# Altium PCB PCB.PcbDoc (part 3 of 4) (continued)
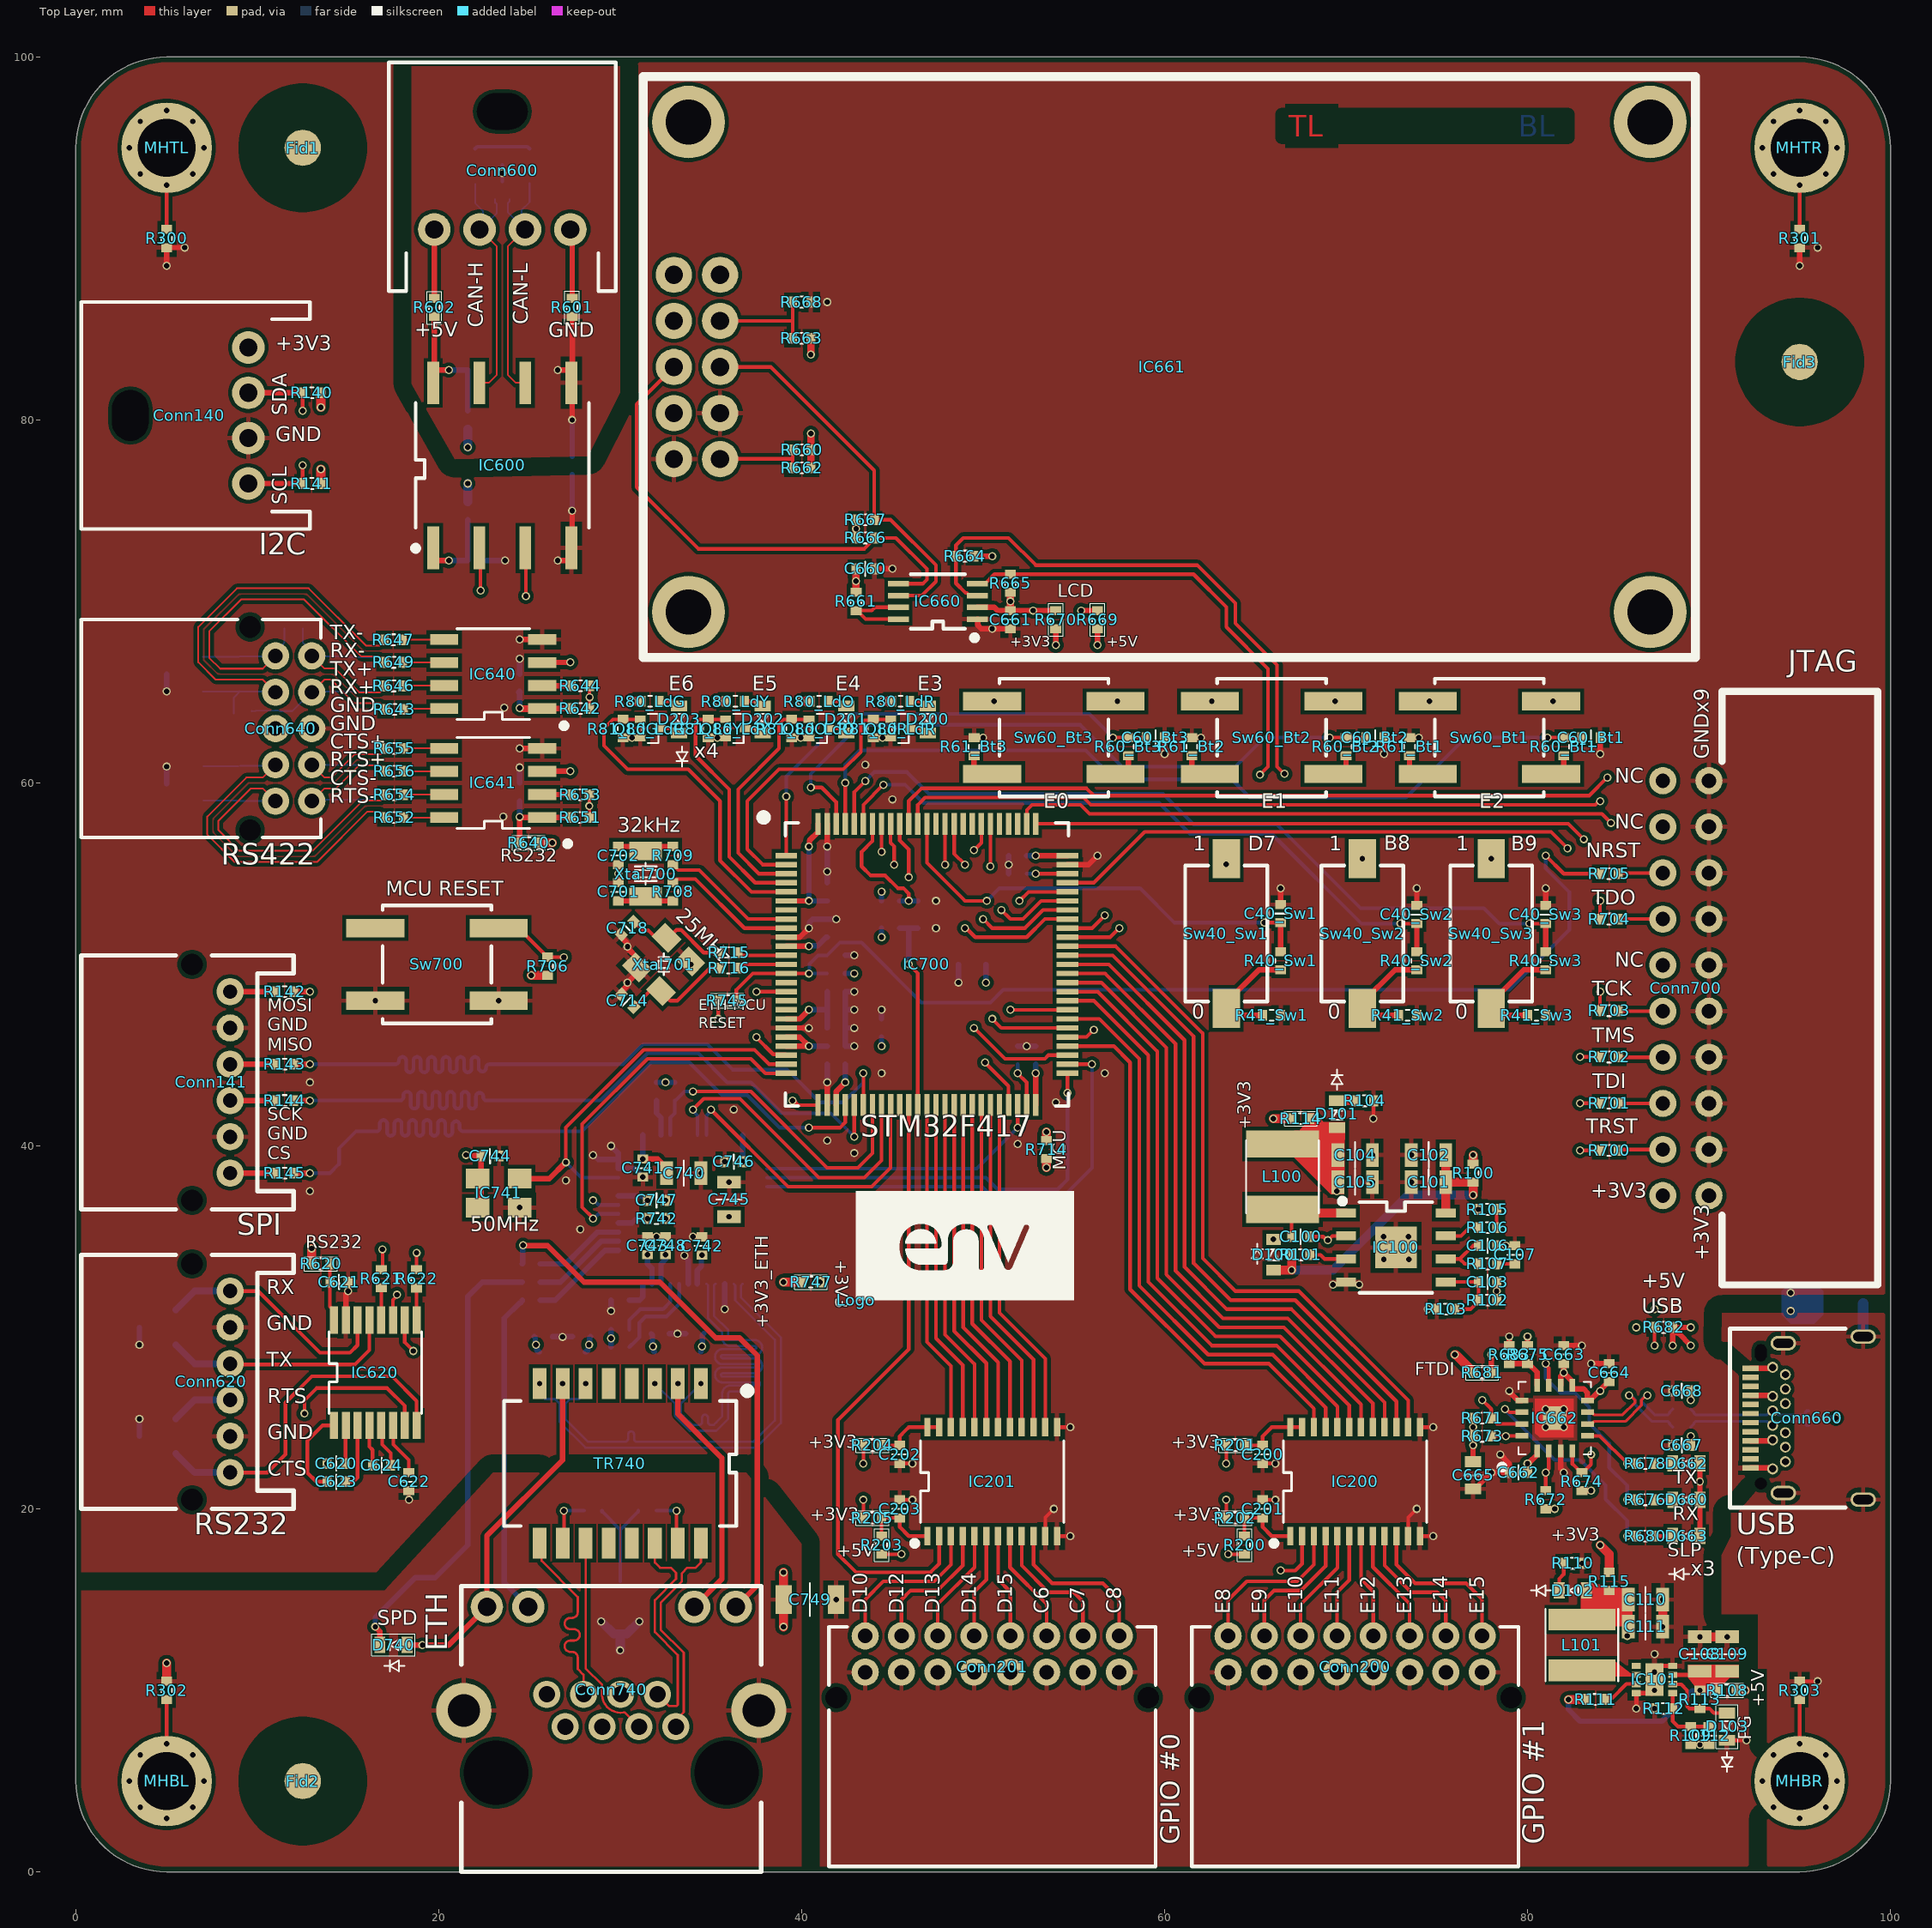
[diagram p0: Top Layer view]
## Nets (pads, with @x,y where several pads share a name; then routed paths per layer and width w, separated by ;. In a path a pad name is that pad's centre, name@x,y a point inside that pad or via, vN(x,y) a via of type N, cw(c..) or ccw(c..) an arc to the next point about the centre after c; other vN are vias at no path point) (continued)
PA6: IC700.31 R143.1 | length 43.7
  Top Layer w0.2: IC700.31@43.4,42.25 v1(43.4,44)
  Top Layer w0.3: R143.1@12,44.5 v1(12.9,44.5)
  Bottom Layer w0.2: v1(12.9,44.5) 17.5,44.5 17.6,44.5 ccw(c17.6,44.7) 17.8,44.7 17.8,44.702 cw(c18,44.702) 18.2,44.702 18.2,44.257 ccw(c18.4,44.257) 18.6,44.257 18.6,44.702 cw(c18.8,44.702) 19,44.702 19,44.257 ccw(c19.2,44.257) 19.4,44.257 19.4,44.702 cw(c19.6,44.702) 19.8,44.702 19.8,44.257 ccw(c20,44.257) 20.2,44.257 20.2,44.702 cw(c20.4,44.702) 20.6,44.702 20.6,44.257 ccw(c20.8,44.257) 21,44.257 21,44.702 cw(c21.2,44.702) 21.4,44.702 21.4,44.257 ccw(c21.6,44.257) 21.8,44.257 21.8,44.702 cw(c22,44.702) 22.2,44.702 22.2,44.292 ccw(c22.4,44.292) 22.6,44.292 22.6,44.3 cw(c22.8,44.3) 22.8,44.5 25.233,44.5 30.15,44.5 31.25,45.6 34.8,45.6 36.2,44.2 39.2,44.2 41,42.4 42.3,42.4 43.375,43.475 43.375,43.975 v1(43.4,44)
PA7: IC700.32 IC740.40 R740.2 | length 17.8
  Top Layer w0.2: v1(34,43) 37.2,43 41.4,38.8 43.1,38.8 43.9,39.6 IC700.32@43.9,42.25
  Bottom Layer w0.2: IC740.40@32.75,40.6 32.75,41.55 33,41.8 R740.2@33,42.5 33.05,42.5 33.55,43 v1(34,43)
PA8: IC660.4 IC700.67 R665.2 | length 40.4
  Top Layer w0.2: IC660.4@49.675,70.975 50.1,70.975 50.625,71.5 R665.2@51.5,71.5 61.593,71.5 63.4,69.693 63.4,68.593 65.7,66.293 65.7,60.9 v1(65.25,60.45) ; IC700.67@54.65,52 56,52 v1(56.7,52.7)
  Layer 3 w0.2: v1(56.7,52.7) 56.7,54.8 60.4,58.5 63.3,58.5 v1(65.25,60.45)
PA9: IC640.3 IC700.68 | length 37.9
  Top Layer w0.2: v1(49,52) 49.065,52 49.565,51.5 52.4,51.5 53.4,52.5 IC700.68@54.65,52.5
  Top Layer w0.3: IC640.3@25.708,66.642 v1@27.242,66.642
  Top Layer w0.381: IC640.3@25.7,66.635 IC640.3@25.708,66.642 ; v1@27.242,66.642 v1(27.25,66.65)
  Layer 3 w0.2: v1@27.242,66.642 27.242,63.558 32.7,58.1 43.7,58.1 49,52.8 v1(49,52)
PA10: IC700.69 R642.2 R644.2 | length 34.2
  Top Layer w0.2: R642.2@28.3,64.1 R644.2@28.3,65.35 ; v1(50,52.5) 50.5,52 52.3,52 53.3,53 IC700.69@54.65,53
  Layer 3 w0.2: v1(28.304,64.725) 28.304,63.196 32.9,58.6 43.9,58.6 v1(50,52.5)
PA11: IC700.70 R651.2 R653.2 | length 33.8
  Top Layer w0.2: R651.2@28.3,58.1 R653.2@28.3,59.35 ; v1(51,53) 51.5,52.5 52.2,52.5 53.2,53.5 IC700.70@54.65,53.5
  Layer 3 w0.2: v2@28.3,58.725 28.3,57.6 29.7,56.2 36.8,56.2 38.7,54.3 42.6,54.3 43.9,53 45.1,53 47.35,50.75 49.95,50.75 51,51.8 v1(51,53)
  other v2: 28.295,58.725
PA12: IC641.3 IC700.71 | length 37.4
  Top Layer w0.2: v1(52,53.5) 52.5,54 IC700.71@54.65,54
  Top Layer w0.3: IC641.3@25.708,60.642 v1@27.243,60.642
  Layer 3 w0.2: v1@27.243,60.642 27.243,58.057 29.6,55.7 36.489,55.7 39.489,52.7 40.7,52.7 41.2,53.2 42.851,53.2 43.651,52.4 45,52.4 47.05,50.35 50.15,50.35 51.6,51.8 51.6,53.1 v1(52,53.5)
  other v1: 27.25,60.65
PA13: IC700.72 R702.1 | length 42
  Top Layer w0.2: IC700.72@54.65,54.5 56.1,54.5 58.9,57.3 81.3,57.3 v1(82.2,56.4) ; v1(82.9,44.9) R702.1@84,44.9
  Layer 3 w0.2: v1(82.2,56.4) 82.2,45.6 v1(82.9,44.9)
PA14: IC700.76 R703.1 | length 40.4
  Top Layer w0.2: IC700.76@52.9,57.75 82.25,57.75 v1(83.1,56.9) ; R703.1@84,47.45 v1(84,48.5)
  Layer 3 w0.2: v1(83.1,56.9) 83.1,49.4 v1(84,48.5)
PA15: IC700.77 R701.1 | length 51.1
  Top Layer w0.2: IC700.77@52.4,57.75 52.412,57.762 52.412,58.512 52.7,58.8 55.369,58.8 55.869,58.3 84.1,58.3 v1(84.6,57.8) ; v1(82.899,42.357) R701.1@83.993,42.357
  Layer 3 w0.2: v1(82.899,42.357) 85,44.457 85,57.4 v1(84.6,57.8)
PB0: IC700.35
PB1: IC201.2 IC700.36 | length 34.1
  Top Layer w0.2: IC700.36@45.9,42.25 45.9,28.8 42,24.9 42,17.5 43,16.5 47.1,16.5 47.575,16.975 IC201.2@47.575,18.5
PB2: IC700.37 R711.1 R713.2 | length 11
  Top Layer w0.2: v1(45.9,50) 46.4,49.5 IC700.37@46.4,42.25
  Bottom Layer w0.3: R711.1@45.4,52 45.9,52 ; v1(45.9,50) 45.9,52 ; R713.2@46.4,52 45.9,52
PB3: IC700.89 R704.1 | length 45.6
  Top Layer w0.2: IC700.89@46.4,57.75 46.4,58.8 46.8,59.2 55.534,59.2 55.934,58.8 83.732,58.8 83.932,59 v1(84,59) ; R704.1@84,52.5 v1(84,53.5)
  Layer 3 w0.2: v1(84,53.5) v1(84,59)
PB4: IC700.90 R700.1 | length 64
  Top Layer w0.2: IC700.90@45.9,57.75 45.9,59.007 46.593,59.7 55.7,59.7 56.1,59.3 83.4,59.3 v1(84.4,60.3) ; v1(82.899,39.75) R700.1@84,39.75
  Layer 3 w0.2: v1(82.899,39.75) 85.7,42.551 85.7,59 v1(84.4,60.3)
PB5: IC700.91 R142.1 | length 45.9
  Top Layer w0.2: IC700.91@45.4,57.75 45.4,56.836 45.9,56.336 v1(45.9,54.8)
  Top Layer w0.3: R142.1@12,48.5 v1(12.9,48.5)
  Layer 3 w0.2: v1(12.9,48.5) 12.9,49.6 23,59.7 24.4,59.7 26.2,61.5 27.3,61.5 32.158,56.642 38.558,56.642 39.4,55.8 42,55.8 43,54.8 v1(45.9,54.8)
PB6: Conn140.4 IC700.92 R141.2 | length 53.5
  Top Layer w0.2: R141.2@12.5,76.5 v1(12.5,77.5) ; IC700.92@44.9,57.75 44.9,56.7 45.1,56.5 v1(45.1,55.5)
  Top Layer w0.3: Conn140.4@9.5,76.5 R141.2@12.5,76.5
  Layer 3 w0.2: v1(12.5,77.5) 12.5,78.2 13.05,78.75 14.051,78.75 15.6,77.201 15.6,73.8 22,67.4 22,63.9 23.1,62.8 26.6,62.8 32.3,57.1 42.2,57.1 43.8,55.5 v1(45.1,55.5)
PB7: Conn140.2 IC700.93 R140.2 | length 52
  Top Layer w0.2: v1(12.5,80.5) R140.2@12.5,81.5 ; v1(44.4,56.2) IC700.93@44.4,57.75
  Top Layer w0.3: Conn140.2@9.5,81.5 R140.2@12.5,81.5
  Layer 3 w0.2: v1(12.5,80.5) 12.5,79.8 13.05,79.25 14.25,79.25 16.1,77.4 16.1,74.099 22.5,67.699 22.5,64 23.3,63.2 26.9,63.2 32.5,57.6 42.3,57.6 43.7,56.2 v1(44.4,56.2)
PB8: C40_Sw2.2 IC700.95 R40_Sw2.2 | length 36.7
  Top Layer w0.2: IC700.95@43.4,57.75 43.4,58.8 v1(44.5,59.9) ; v1(73,52.25) C40_Sw2.2@73.9,52.25
  Top Layer w0.3: R40_Sw2.2@73.9,50.7 C40_Sw2.2@73.9,52.25
  Bottom Layer w0.2: v1(44.5,59.9) 45.7,59.9 46.7,58.9 59.693,58.9 61.393,57.2 65.9,57.2 70.85,52.25 v1(73,52.25)
PB9: C40_Sw3.2 IC700.96 R40_Sw3.2 | length 45.3
  Top Layer w0.2: IC700.96@42.9,57.75 42.9,59.5 v1(43.5,60.1) ; v1(80.1,52.25) C40_Sw3.2@81,52.25
  Top Layer w0.3: R40_Sw3.2@81,50.7 C40_Sw3.2@81,52.25
  Bottom Layer w0.2: v1(43.5,60.1) 44,60.6 45.8,60.6 47,59.4 59.9,59.4 61.6,57.7 66.2,57.7 70.8,53.1 77.6,53.1 78.45,52.25 v1(80.1,52.25)
PB10: IC662.2 IC700.47 R672.1 | length 56.3
  Top Layer w0.2: v1(50.1,44.6) 51.4,43.3 IC700.47@51.4,42.25 ; R672.1@81,21 v1(81,22) 81,22.041 81.175,22.216 IC662.2@81.175,23.19
  Layer 3 w0.2: v1(50.1,44.6) 53.8,48.3 55.603,48.3 58.2,45.703 58.2,36.703 64.449,30.454 71.415,30.454 75,26.869 75,26 76,25 76,23 78,21 80,21 v1(81,22)
PB11: IC700.48 IC740.2 | length 16
  Top Layer w0.2: v2(51.9,41) IC700.48@51.9,42.25
  Bottom Layer w0.2: IC740.2@38.1,38.75 49.65,38.75 v2(51.9,41)
PB12: IC700.51 IC740.3 | length 22.9
  Top Layer w0.2: v1(54.65,42.92) IC700.51@54.65,44
  Bottom Layer w0.2: IC740.3@38.1,38.25 50.151,38.249 50.8,37.6 54.1,37.6 54.65,38.15 v1(54.65,42.92)
PB13: IC700.52 IC740.4 | length 25.9
  Top Layer w0.2: IC700.52@54.65,44.5 v1(56,44.5)
  Bottom Layer w0.2: IC740.4@38.1,37.75 49.95,37.75 50.6,37.1 54.3,37.1 56,38.8 v1(56,44.5)
PB14: IC662.4 IC700.53 R674.1 | length 62.2
  Top Layer w0.2: v1(49.5,46.5) 51.2,44.8 53.4,44.8 53.6,45 IC700.53@54.65,45 ; IC662.4@82.475,23.19 82.475,22.475 82.95,22 R674.1@83,22 83.05,22 83.5,22.45 v1(83.5,23)
  Layer 3 w0.2: v1(49.5,46.5) 49.5,47.5 51.5,49.5 56.1,49.5 59.4,46.2 59.4,37.2 64.946,31.654 71.978,31.654 76.131,27.5 79.4,27.5 80.1,26.8 80.1,24.2 80.8,23.5 83,23.5 v1(83.5,23)
PB15: IC200.22 IC700.54 | length 30.2
  Top Layer w0.2: IC700.54@54.65,45.5 57.2,45.5 58.1,44.6 58.1,32.093 62.193,28 65.75,28 68.225,25.525 IC200.22@68.225,24.5
PC0: IC700.15
PC1: IC700.16 IC740.31 | length 25
  Top Layer w0.2: v1(37.5,48.5) IC700.16@39.15,48.5
  Layer 3 w0.2: v1(28.5,37) 27.5,36 26.8,36 26.2,36.6 26.2,40.7 34.3,48.8 37.2,48.8 v1(37.5,48.5)
  Bottom Layer w0.2: v1@28.541,37 28.791,36.75 IC740.31@29.9,36.75
  Bottom Layer w0.3: v1(28.5,37) v1@28.541,37
PC2: IC700.17
PC3: IC700.18
PC4: IC700.33 IC740.43 | length 17.4
  Top Layer w0.2: v1(34,42) 34.6,42.6 36.6,42.6 40.951,38.249 43.449,38.249 44.4,39.2 IC700.33@44.4,42.25
  Bottom Layer w0.2: v1(34,42) 34,41.932 34.25,41.682 IC740.43@34.25,40.6
PC5: IC700.34 IC740.44 | length 17
  Top Layer w0.2: v1(35,42) 39.25,37.75 43.85,37.75 44.9,38.8 IC700.34@44.9,42.25
  Bottom Layer w0.2: IC740.44@34.75,40.6 34.75,41.682 35,41.932 v1(35,42)
PC6: IC200.16 IC700.63 | length 36.2
  Top Layer w0.2: IC700.63@54.65,50 56.928,50 61.1,45.828 61.1,33.328 63.428,31 66.993,31 72.125,25.868 IC200.16@72.125,24.5
PC7: IC200.15 IC700.64 | length 37.1
  Top Layer w0.2: IC700.64@54.65,50.5 57.136,50.5 61.6,46.036 61.6,33.536 63.636,31.5 67.2,31.5 72.775,25.925 IC200.15@72.775,24.5
PC8: IC200.14 IC700.65 | length 37.9
  Top Layer w0.2: IC700.65@54.65,51 57.3,51 62.1,46.2 62.1,33.8 63.9,32 67.4,32 73.425,25.975 IC200.14@73.425,24.5
PC9: IC660.3 IC700.66 R664.2 | length 48.3
  Top Layer w0.2: IC660.3@49.675,70.325 49.25,70.325 49.1,70.475 49.026,70.475 48.5,71.001 R664.2@48.5,72.5 48.5,73.1 48.9,73.5 51.4,73.5 52.9,72 61.8,72 63.9,69.9 63.9,68.8 66.2,66.5 66.2,60.9 v1(66.6,60.5) ; IC700.66@54.65,51.5 57,51.5 v1(57.5,52)
  Layer 3 w0.2: v1(57.5,52) 57.5,54.5 60.7,57.7 63.8,57.7 v1(66.6,60.5)
PC10: IC700.78
PC11: IC700.79
PC12: IC700.80
PC13: IC700.7
PC14: IC700.8 R709.2 | length 7.5
  Top Layer w0.2: R709.2@32.9,55.5 33.2,55.2 34.35,55.2 37.05,52.5 IC700.8@39.15,52.5
PC15: IC700.9 R708.2 | length 7.5
  Top Layer w0.2: R708.2@32.9,54.5 33.1,54.7 34.143,54.7 36.843,52 IC700.9@39.15,52
PD0: IC600.2 IC700.81 | length 41.7
  Top Layer w0.2: IC600.2@22.28,72.95 22.3,72.93 v1(22.3,70.6) ; v1(50.4,55.4) IC700.81@50.4,57.75
  Layer 3 w0.2: v1(22.3,70.6) 22.8,71.1 26.9,71.1 34.276,63.724 45.776,63.724 47.424,62.076 47.424,60.676 50.4,57.7 v1(50.4,55.4)
PD1: IC600.3 IC700.82 | length 36.6
  Top Layer w0.2: v1(24.8,70.3) 24.8,72.93 IC600.3@24.82,72.95 ; v1(49.5,56.3) 49.9,56.7 IC700.82@49.9,57.75
  Layer 3 w0.2: v1(24.8,70.3) 27.1,70.3 34.1,63.3 45.6,63.3 47,61.9 47,60.5 49.5,58 v1(49.5,56.3)
PD2: IC700.83
PD3: IC700.84
PD4: IC620.10 IC700.85 | length 59.5
  Top Layer w0.2: IC620.10@18.125,30.4 18.125,29.175 v1(18.6,28.7) ; IC700.85@48.4,57.75 48.4,56.1 v1(49,55.5)
  Layer 3 w0.2: v1(18.6,28.7) 20.1,28.7 23.2,31.8 37,31.8 47.3,42.1 47.3,48.6 48.25,49.55 50.55,49.55 53.35,52.35 53.35,53.65 52.25,54.75 49.25,54.75 49,55 v1(49,55.5)
PD5: IC620.11 IC700.86 | length 58.1
  Top Layer w0.2: IC620.11@17.475,30.4 17.475,31.507 17.7,31.732 v1(17.7,31.8) ; v1(47.9,55.5) IC700.86@47.9,57.75
  Layer 3 w0.2: v1(17.7,31.8) 18.1,32.2 36.8,32.2 46.876,42.276 46.876,48.776 48.05,49.95 50.35,49.95 52.9,52.5 52.9,53.464 52.064,54.3 49.1,54.3 v1(47.9,55.5)
PD6: IC700.87
PD7: C40_Sw1.2 IC700.88 R40_Sw1.2 | length 24.9
  Top Layer w0.2: IC700.88@46.9,57.75 46.9,55.6 49,53.5 v1(50.2,53.5) ; v1(65.5,52.3) C40_Sw1.2@66.4,52.3
  Top Layer w0.3: R40_Sw1.2@66.4,50.7 66.4,52
  Bottom Layer w0.2: v1(50.2,53.5) 50.9,54.2 58.64,54.2 60.54,52.3 v1@65.549,52.3
PD8: IC200.2 IC700.55 | length 40.7
  Top Layer w0.2: IC700.55@54.65,46 55.7,46 v1(56.1,46.4) ; v1(66.4,16.6) 67.2,16.6 67.575,16.975 IC200.2@67.575,18.5
  Layer 3 w0.2: v1(56.1,46.4) 56.1,45.6 57.6,44.1 57.6,31.9 62,27.5 64.8,27.5 67,25.3 67,17.2 v1(66.4,16.6)
PD9: IC662.15 IC700.56 R671.1 | length 50.7
  Top Layer w0.2: v1(50.5,47) 51,46.5 IC700.56@54.65,46.5 ; v1(77.5,26) 78,25.5 R671.1@78,25 ; R671.1@78,24.95 78.15,24.8 78.2,24.8 78.325,24.675 IC662.15@79.69,24.675
  Layer 3 w0.2: v1(50.5,47) 50.5,47.6 52,49.1 55.934,49.1 59,46.034 59,37.034 64.781,31.254 71.746,31.254 76,27 77,27 77.475,26.525 77.475,26.025 v1(77.5,26)
PD10: IC200.21 IC700.57 | length 31.5
  Top Layer w0.2: IC700.57@54.65,47 56.4,47 58.6,44.8 58.6,32.3 62.4,28.5 65.957,28.5 68.875,25.582 IC200.21@68.875,24.5
PD11: IC662.16 IC700.58 R673.1 | length 48.8
  Top Layer w0.2: v1(51.5,47.5) IC700.58@54.65,47.5 ; R673.1@78,24 78.025,24.025 IC662.16@79.69,24.025
  Layer 3 w0.2: v1(51.5,47.5) 51.5,47.9 52.3,48.7 55.769,48.7 58.6,45.869 58.6,36.869 64.615,30.854 71.581,30.854 75.5,26.934 75.5,26.3 76.5,25.3 77.5,25.3 v1(78.8,24)
PD12: IC200.20 IC700.59 | length 32.6
  Top Layer w0.2: IC700.59@54.65,48 56.1,48 59.1,45 59.1,32.5 62.6,29 66.164,29 69.525,25.639 IC200.20@69.525,24.5
PD13: IC200.19 IC700.60 | length 33.5
  Top Layer w0.2: IC700.60@54.65,48.5 56.307,48.5 59.6,45.207 59.6,32.707 62.807,29.5 66.372,29.5 70.175,25.697 IC200.19@70.175,24.5
PD14: IC200.18 IC700.61 | length 34.4
  Top Layer w0.2: IC700.61@54.65,49 56.514,49 60.1,45.414 60.1,32.914 63.014,30 66.579,30 70.825,25.754 IC200.18@70.825,24.5
PD15: IC200.17 IC700.62 | length 35.3
  Top Layer w0.2: IC700.62@54.65,49.5 56.721,49.5 60.6,45.621 60.6,33.121 63.221,30.5 66.786,30.5 71.475,25.811 IC200.17@71.475,24.5
PE0: C60_Bt1.2 IC700.97 R60_Bt1.2 | length 46.6
  Top Layer w0.2: IC700.97@42.4,57.75 v1(42.4,60) ; v1(81.1,62.5) R60_Bt1.2@82,62.5 C60_Bt1.2@83,62.5
  Bottom Layer w0.2: v1(42.4,60) 42.4,61 43.2,61.8 55.65,61.8 57.25,60.2 63.7,60.2 64.7,59.2 73.3,59.2 76.6,62.5 v1(81.1,62.5)
PE1: C60_Bt2.2 IC700.98 R60_Bt2.2 | length 37
  Top Layer w0.2: v1(40.5,59.75) 41.1,59.75 41.9,58.95 IC700.98@41.9,57.75 ; v1(69.1,62.5) R60_Bt2.2@70,62.5 C60_Bt2.2@71.1,62.5
  Bottom Layer w0.2: v1(40.5,59.75) 40.5,60.5 43.2,63.2 55.35,63.2 57.65,60.9 63.9,60.9 65.5,62.5 v1(69.1,62.5)
PE2: C60_Bt3.2 IC700.1 R60_Bt3.2 | length 26.2
  Top Layer w0.2: IC700.1@39.15,56 v1(39.15,59.25) ; v1(57.15,62.5) R60_Bt3.2@58,62.5 C60_Bt3.2@59,62.5
  Bottom Layer w0.2: v1(39.15,59.25) 39.15,60.35 42.6,63.8 55.85,63.8 v1(57.15,62.5)
PE3: IC700.2 Q80_LdR.G R81_LdR.1 | length 15.8
  Top Layer w0.2: IC700.2@39.15,55.5 37.85,55.5 37,56.35 37,59 38.75,60.75 42.3,60.75 43.259,61.709 43.259,63.259 43.45,63.45 43.9,63.45 R81_LdR.1@43.95,63.5 Q80_LdR.G@44.9,63.5
PE4: IC700.3 Q80_LdO.G R81_LdO.1 | length 12.9
  Top Layer w0.2: IC700.3@39.15,55 37.643,55 36.5,56.143 36.5,59.65 38.75,61.9 38.75,63.25 39,63.5 R81_LdO.1@39.45,63.5 Q80_LdO.G@40.4,63.5
PE5: IC700.4 Q80_LdY.G R81_LdY.1 | length 13.6
  Top Layer w0.2: Q80_LdY.G@35.8,63.5 R81_LdY.1@34.85,63.5 34.35,63.5 34.15,63.3 34.15,61.5 36,59.65 36,55.936 37.436,54.5 IC700.4@39.15,54.5
PE6: IC700.5 Q80_LdG.G R81_LdG.1 | length 18.5
  Top Layer w0.2: Q80_LdG.G@31.1,63.5 R81_LdG.1@30.15,63.5 29.6,63.5 29.1,63 29.1,62.05 30.4,60.75 33.75,60.75 35.5,59 35.5,55.729 37.229,54 IC700.5@39.15,54
PE7: IC201.22 IC700.38 | length 18.3
  Top Layer w0.2: IC700.38@46.9,42.25 46.9,29.2 48.225,27.875 IC201.22@48.225,24.5
PE8: IC201.21 IC700.39 | length 18.4
  Top Layer w0.2: IC700.39@47.4,42.25 47.4,29.4 48.875,27.925 IC201.21@48.875,24.5
PE9: IC201.20 IC700.40 | length 18.4
  Top Layer w0.2: IC700.40@47.9,42.25 47.9,29.6 49.525,27.975 IC201.20@49.525,24.5
PE10: IC201.19 IC700.41 | length 18.5
  Top Layer w0.2: IC700.41@48.4,42.25 48.4,29.8 50.175,28.025 IC201.19@50.175,24.5
PE11: IC201.18 IC700.42 | length 18.5
  Top Layer w0.2: IC700.42@48.9,42.25 48.9,30 50.825,28.075 IC201.18@50.825,24.5
PE12: IC201.17 IC700.43 | length 18.6
  Top Layer w0.2: IC700.43@49.4,42.25 49.4,30.2 51.475,28.125 IC201.17@51.475,24.5
PE13: IC201.16 IC700.44 | length 18.7
  Top Layer w0.2: IC700.44@49.9,42.25 49.9,30.4 52.125,28.175 IC201.16@52.125,24.5
PE14: IC201.15 IC700.45 | length 18.7
  Top Layer w0.2: IC700.45@50.4,42.25 50.4,30.6 52.775,28.225 IC201.15@52.775,24.5
PE15: IC201.14 IC700.46 | length 18.8
  Top Layer w0.2: IC700.46@50.9,42.25 50.9,30.8 53.425,28.275 IC201.14@53.425,24.484
RTS_N: Conn640.9 R650.2 R656.2 TVS643.D2 | length 8.5
  Top Layer w0.097: Conn640.9@13,59 13.698,59.698 14.336,59.698 15.611,60.973 16.792,60.973 16.848,60.916 16.848,60.852 R656.2@17.05,60.65
  Bottom Layer w0.097: Conn640.9@13.05,59.08 TVS643.D2@16.5,59.08
RTS_P: Conn640.7 R650.1 R655.2 TVS643.D1 | length 8.5
  Top Layer w0.097: Conn640.7@13,61 13.698,60.302 14.085,60.302 15.36,61.577 16.792,61.577 16.848,61.634 16.848,61.698 R655.2@17.05,61.9
  Bottom Layer w0.097: Conn640.7@13.05,61 TVS643.D1@16.5,61
RXC_N: Conn740.6 TR740.9 | length 11.4
  Top Layer w0.124: TR740.9@25.555,18.1 25.663,17.992 25.663,17.137 27.66,15.14 27.66,14.989 27.66,14.303 cw(c27.348,14.303) 27.348,13.992 27.247,13.992 ccw(c27.247,13.68) 27.247,13.368 27.456,13.368 cw(c27.456,13.056) 27.456,12.744 27.247,12.744 ccw(c27.247,12.432) 27.247,12.12 27.348,12.12 cw(c27.348,11.808) 27.66,11.808 27.66,11.178 27.952,10.885 27.984,10.853 Conn740.6@27.984,9.778
RXC_P: Conn740.3 TR740.11 | length 11.6
  Top Layer w0.124: TR740.11@28.095,18.1 28.095,11.205 29,10.3 29,9.872 29.005,9.742 ccw(c30.016,9.778) 30.189,8.781 30.2,8.781 30.251,8.781 Conn740.3@31.032,8
RXP_N: IC740.13 R757.2 TR740.8 | length 25.6
  Bottom Layer w0.124: v1@25.55,26.905 25.55,26.35 25.85,26.05 26.405,26.05 26.65,25.805 26.65,24.8 28.077,23.373 37.495,23.373 38.85,24.728 38.85,29.45 36.664,31.636 36.664,32.314 IC740.13@36.75,32.4 ; v1(25.555,26.9) R757.2@25.555,27.65
RXP_P: IC740.14 R756.1 TR740.6 | length 25.4
  Bottom Layer w0.124: R756.1@28.1,27.65 28.1,26.4 27.75,26.05 27.245,26.05 26.977,25.782 26.977,24.936 28.213,23.7 29.943,23.7 30.274,23.7 ccw(c30.274,23.862) 30.436,23.862 30.436,24.107 cw(c30.598,24.107) 30.76,24.107 30.76,23.862 ccw(c30.922,23.862) 30.922,23.7 31.308,23.7 37.36,23.7 38.523,24.863 38.523,29.314 36.336,31.501 36.336,32.314 IC740.14@36.25,32.4
  other v1: 28.095,26.9
SPD_AN1: IC740.27 R751.1 | length 5.2
  Bottom Layer w0.3: R751.1@25.6,32.5 26.707,32.5 28.45,34.243 28.45,34.252 28.948,34.75 IC740.27@29.9,34.75
TXC_N: Conn740.2 TR740.14 | length 12.2
  Top Layer w0.124: TR740.14@31.905,18.1 31.905,17.045 32.2,16.75 32.8,16.75 33.073,16.477 33.073,16.136 31.905,14.968 31.905,13.209 33.171,11.944 33.171,9.204 33.098,9.131 32.695,9.131 Conn740.2@32.048,9.778
TXC_P: Conn740.1 TR740.16 | length 12
  Top Layer w0.124: Conn740.1@33.064,8 33.064,8.37 33.498,8.804 33.498,8.928 33.498,11.714 33.498,12.079 33.446,12.131 32.232,13.345 32.232,14.832 33.4,16 33.4,16.45 33.7,16.75 34.15,16.75 34.445,17.045 TR740.16@34.445,18.1
TXP_N: IC740.16 R754.2 TR740.3 | length 25.6
  Bottom Layer w0.124: R754.2@31.876,27.65 31.876,26.929 33.015,25.79 33.015,25.118 33.833,24.3 35.29,24.3 35.95,24.96 35.95,25.551 35.95,26.344 cw(c36.074,26.344) 36.074,26.468 37.278,26.468 ccw(c37.278,26.882) 37.692,26.882 ccw(c37.278,26.882) 37.278,27.296 35.639,27.296 cw(c35.639,27.383) 35.552,27.383 ; IC740.16@35.25,32.4 35.164,32.314 35.164,30.636 35.95,29.85 35.95,29.65 35.95,29.424 ccw(c36.074,29.424) 36.074,29.3 37.409,29.3 cw(c37.409,28.886) 37.823,28.886 cw(c37.409,28.886) 37.409,28.472 35.639,28.472 ccw(c35.639,28.385) 35.552,28.385 ccw(c35.639,28.385) 35.639,28.298 37.409,28.298 cw(c37.409,27.884) 37.823,27.884 cw(c37.409,27.884) 37.409,27.47 35.639,27.47 ccw(c35.639,27.383) 35.552,27.383
  other v1: 31.905,26.9
TXP_P: IC740.17 R753.1 TR740.1 | length 25.4
  Bottom Layer w0.124: R753.1@34.419,27.65 34.445,27.624 v1(34.445,26.9) 33.342,25.797 33.342,25.253 33.48,25.116 33.968,24.627 34.349,24.627 ccw(c34.349,24.789) 34.511,24.789 34.511,25.023 cw(c34.673,25.023) 34.835,25.023 34.835,24.789 ccw(c34.997,24.789) 34.997,24.627 35.155,24.627 35.302,24.774 35.623,25.095 35.623,25.551 35.623,26.344 cw(c36.074,26.344) 36.074,26.795 37.278,26.795 ccw(c37.278,26.882) 37.365,26.882 ccw(c37.278,26.882) 37.278,26.969 35.639,26.969 cw(c35.639,27.383) 35.225,27.383 ; IC740.17@34.75,32.4 34.836,32.314 34.836,30.501 35.623,29.714 35.623,29.65 35.623,29.424 ccw(c36.074,29.424) 36.074,28.973 37.409,28.973 cw(c37.409,28.886) 37.496,28.886 cw(c37.409,28.886) 37.409,28.799 35.639,28.799 ccw(c35.639,28.385) 35.225,28.385 ccw(c35.639,28.385) 35.639,27.971 37.409,27.971 cw(c37.409,27.884) 37.496,27.884 cw(c37.409,27.884) 37.409,27.797 35.639,27.797 ccw(c35.639,27.383) 35.225,27.383
U_N: IC662.7 R679.2 | length 6.8
  Top Layer w0.158: IC662.7@83.31,25.325 83.52,25.325 83.664,25.181 85.244,25.181 85.919,25.856 85.919,25.987 85.657,26.25 v1(85.6,26.25)
  Bottom Layer w0.158: v1(85.6,26.25) 85.679,26.25 85.79,26.139 85.827,26.139 85.919,26.046 85.919,25.766 86.866,24.819 87.736,24.819 87.829,24.727 87.829,24.671 R679.2@88,24.5
U_P: IC662.6 R677.2 | length 6.8
  Top Layer w0.158: IC662.6@83.31,24.675 83.52,24.675 83.664,24.819 85.393,24.819 86.281,25.707 86.281,25.987 86.543,26.25 v1(86.6,26.25)
  Bottom Layer w0.158: v1(86.6,26.25) 86.521,26.25 86.41,26.139 86.373,26.139 86.281,26.046 86.281,25.915 87.015,25.181 87.736,25.181 87.829,25.273 87.829,25.329 R677.2@88,25.5
Usb_N: C667.1 Conn660.B7 D661.K2 R679.1 | length 7
  Bottom Layer w0.158: R679.1@89,24.5 89.171,24.671 89.171,24.727 89.264,24.819 91.274,24.819 93.196,24.819 93.416,24.6 Conn660.B7@93.51,24.6 93.604,24.6 93.824,24.819 95.236,24.819 95.329,24.727 95.329,24.656 95.385,24.6 D661.K2@95.51,24.6
  other v1: 89,24
Usb_P: C668.1 Conn660.B6 D661.K1 R677.1 | length 7
  Bottom Layer w0.158: R677.1@89,25.5 89.171,25.329 89.171,25.273 89.264,25.181 91.124,25.181 93.196,25.181 93.416,25.4 Conn660.B6@93.51,25.4 93.604,25.4 93.824,25.181 95.236,25.181 95.329,25.273 95.329,25.344 95.385,25.4 D661.K1@95.51,25.4
  other v1: 89,26
VBus: Conn660.A4 Conn660.A9 Conn660.B4 Conn660.B9 R682.2 | length 5.9
  Top Layer w0.3: v1(88,29) R682.2@88,30 ; v1(89,29) 88.325,29.675 88.275,29.675 88,29.95 R682.2@88,30 ; v1(89,30) R682.2@88,30 ; Conn660.A4@92.3,23.75 93.46,23.75 Conn660.B9@93.51,23.8 ; Conn660.A9@92.3,26.25 93.46,26.25 Conn660.B4@93.51,26.2
VBusSense: IC662.12 R675.1 R683.1 | length 2.4
  Top Layer w0.3: R683.1@79,28 R675.1@80,28 80.05,28 80.525,27.525 IC662.12@80.525,26.81
Vcan: C601.2 IC600.8 R602.1 R603.2 | length 7.8
  Top Layer w0.3: IC600.8@19.735,82.75 v1(20.55,82.75) ; IC600.8@19.745,82.055 R602.1@19.745,85.695
  Bottom Layer w0.3: v1(20.55,82.75) C601.2@21.6,82.75 R603.2@21.6,80.5
VCC_422: C640.2 C641.2 IC640.1 IC641.1 R640.2 R642.1 R651.1 | length 8.9
  Top Layer w0.3: R640.2@24.45,56.7 v1(24.451,58.129) ; v1@24.503,58.095 IC641.1@25.7,58.095 ; IC641.1@25.703,58.098 R651.1@27.297,58.098 ; IC640.1@25.703,64.097 R642.1@27.297,64.097
  Top Layer w0.381: v1(24.451,64.129) 24.469,64.129 24.503,64.095 IC640.1@25.7,64.095 IC640.1@25.703,64.097 ; IC641.1@25.703,58.098 IC641.1@25.7,58.095 IC641.1@25.738,58.057 ; R651.1@27.297,58.098 R651.1@27.3,58.1 ; R642.1@27.297,64.097 R642.1@27.3,64.1
  Bottom Layer w0.3: v1(24.451,58.129) C641.2@24.45,59 ; v1@24.45,64.129 C640.2@24.45,65
VDD: C703.1 C704.2 C705.2 C706.2 C707.2 C708.2 C709.2 C710.1 C711.1 C712.2 C713.2 C715.2 IC700.6 IC700.11 IC700.19 IC700.21 IC700.22 IC700.28 IC700.50 IC700.75 IC700.100 R710.2 R711.2 R714.2 | length 27.3
  Top Layer w0.3: IC700.22@39.15,45.5 v1(40.4,45.5) 39.9,46 IC700.21@39.15,46 ; IC700.19@39.15,47 39.9,47 v1(40.4,47.5) ; IC700.11@39.15,51 v1(40.4,51) ; IC700.6@39.15,53.5 v1(40.4,53.5) ; v1(40.4,56.5) 40.429,56.529 40.429,56.829 40.9,57.3 IC700.100@40.9,57.75 ; IC700.28@41.9,42.25 41.9,43 v1(42.4,43.5) ; IC700.50@52.9,42.25 v1(52.9,44) ; v1(52.9,56) IC700.75@54.65,56
  Top Layer w0.5: R714.2@53.488,40.3 v1(53.488,40.775)
  Bottom Layer w0.2: C703.1@50.15,50 C703.1@50.151,49.999
  Bottom Layer w0.3: v1(40.4,45.5) C712.2@41.4,45.5 ; v1(40.4,47.5) C705.2@41.4,47.5 ; v1(40.4,51) 40.429,51.029 40.879,51.029 41.35,51.5 C704.2@41.4,51.5 ; v1(40.4,56.5) C708.2@40.4,55.5 v1(40.4,53.5) C715.2@41.4,53.5 ; C713.2@41.4,46.5 C705.2@41.4,47.5 ; C711.1@41.4,48.5 C705.2@41.4,47.5 ; v1(42.4,43.5) C706.2@42.4,44.5 ; v1(44.4,45.5) C710.1@44.4,46 ; v1(44.4,51.5) R711.2@44.4,52 ; R710.2@44.4,53.5 v1(44.4,54) ; v1(50.151,48.999) C703.1@50.151,49.999 ; C709.2@52.4,56 v1(52.9,56) ; v1(52.9,44) C707.2@52.9,44.5
YZ_N: Conn640.2 R645.2 R649.2 R658.2 TVS641.D2 | length 23.2
  Top Layer w0.097: Conn640.2@11,67 10.3,66.3 7.95,66.3 7.35,66.9 7.35,68.35 9.12,70.12 12.575,70.12 15.732,66.963 16.742,66.963 16.798,66.906 16.798,66.848 R649.2@17,66.646
  Bottom Layer w0.097: TVS641.D2@7.005,66.955 R645.2@8.995,66.955 ; R645.2@9.025,66.975 10.975,66.975 Conn640.2@11,67 11,67.24 11.5,67.74 R658.2@11.5,68.5
YZ_P: Conn640.4 R645.1 R647.2 R657.2 TVS641.D1 | length 24.9
  Top Layer w0.097: Conn640.4@11,65 10.305,65.695 7.699,65.695 6.745,66.649 6.745,68.601 8.869,70.724 12.826,70.724 15.982,67.568 16.729,67.568 16.786,67.625 16.786,67.688 R647.2@16.988,67.89
  Bottom Layer w0.097: TVS641.D1@7.005,65.045 8.995,65.045 R645.1@9,65.05 R645.1@9.025,65.025 ; R657.2@8.7,63.9 8.7,64.7 R645.1@9.025,65.025 ; R657.2@8.701,63.828 R657.2@8.701,63.958 ; Conn640.4@10.975,65.025 R645.1@9.025,65.025
pads on no net: Conn140.8-VIN Conn141.7 Conn200.8-VIN Conn201.8-VIN Conn600.8-VIN Conn620.7 Conn640.8-VIN Conn660.A2 Conn660.A3 Conn660.A5 Conn660.A6 Conn660.A7 Conn660.A8 Conn660.A10 Conn660.A11 Conn660.B2 Conn660.B3 Conn660.B5 Conn660.B8 Conn660.B10 Conn660.B11 Conn660.Hole-1 Conn660.Hole-2 Conn700.11 Conn700.17 Conn700.19 Conn740.4 Conn740.5 Conn740.7 Conn740.8 Conn740.Hole-L Conn740.Hole-R Fid1.TP Fid2.TP Fid3.TP IC101.5 IC661.Hole-BL IC661.Hole-BR IC661.Hole-TL IC661.Hole-TR IC661.NC-8 IC661.NC-9 IC661.NC-10 IC740.1 IC740.5 IC740.6 IC740.7 IC740.8 IC740.9 IC740.10 IC740.11 IC740.12 IC740.25 IC740.33 IC740.38 IC740.41 IC740.42 IC740.45 IC740.46 TR740.4 TR740.5 TR740.12 TR740.13